# Altium PCB Radxa_E25_V1.4_20220119.PcbDoc (part 4 of 5)
Units mil, origin at the board's own origin, x right, y up, seen from the top; angles counter-clockwise.
Board outline 3106.31 x 2679.13 mil, 6 copper layers (Top, GND1, S1, Power, GND2, Bottom), stack 58.1 mil thick; 477 components, 352 nets, 1856 pads, 1064 vias.
Unrouted connection lines stored in the file: 297.
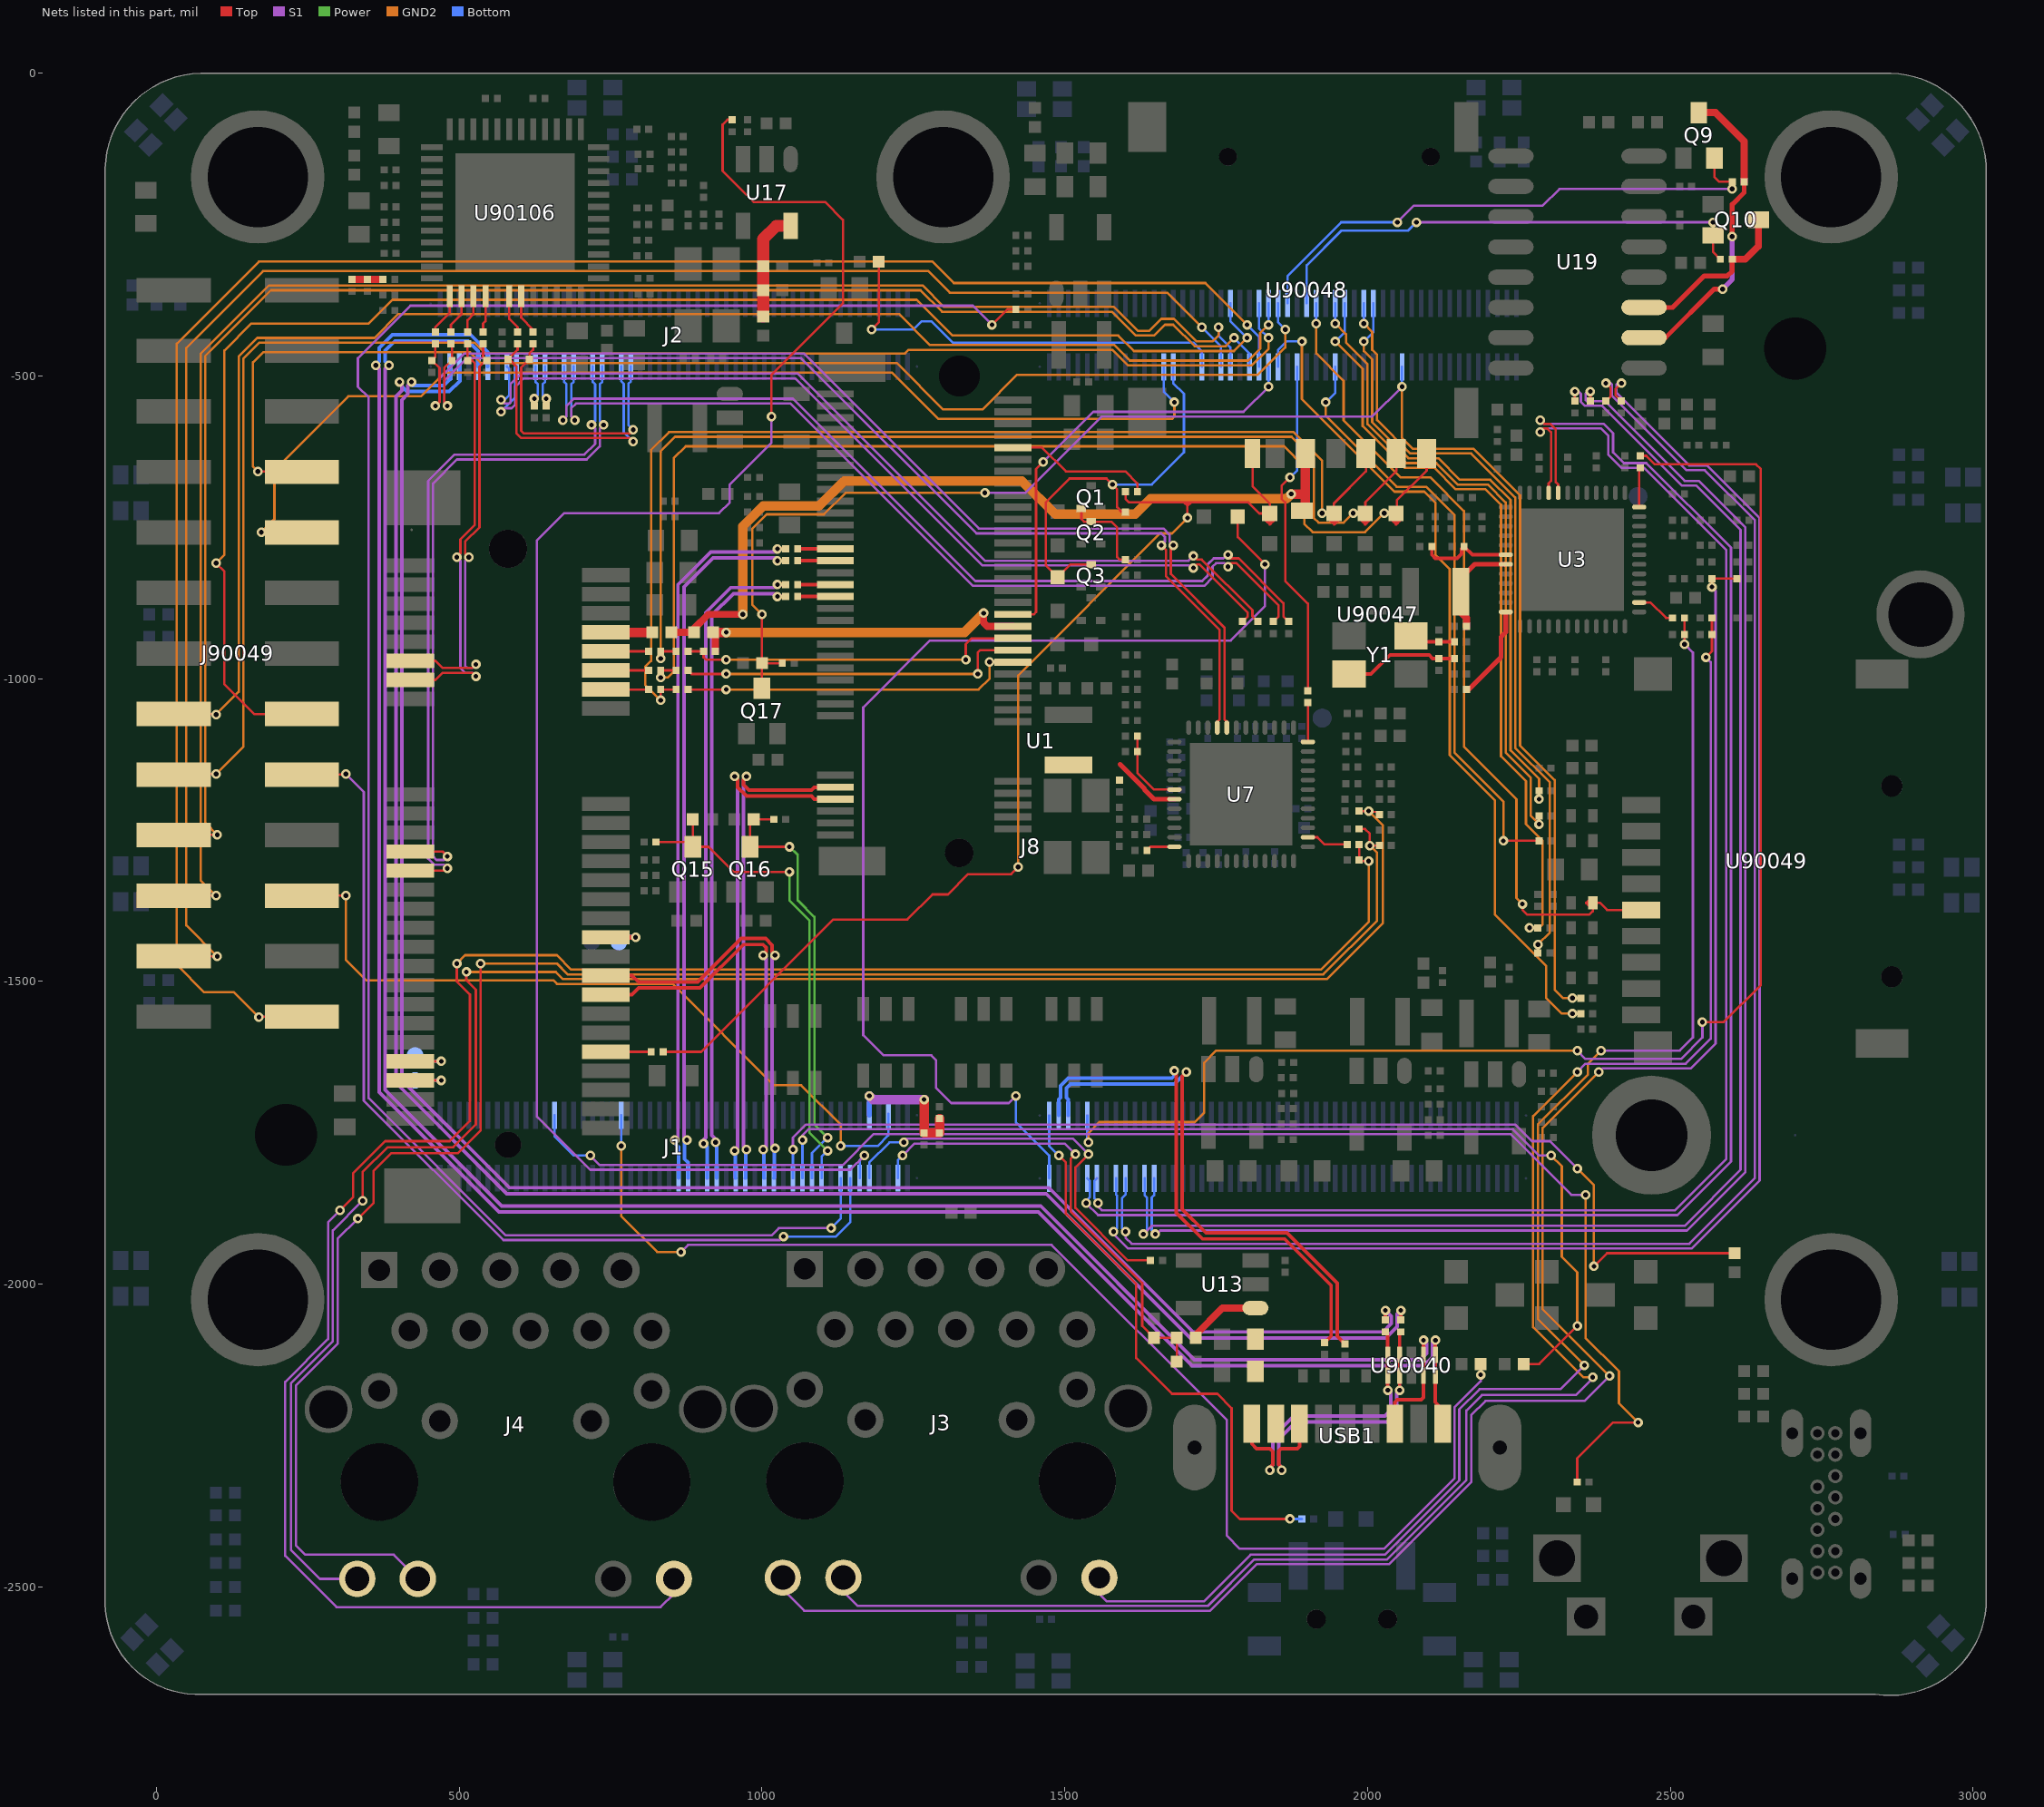
[diagram p8: the nets of this part, all layers, seen from the top]

## Via types
v1: diameter 15.75, hole 7.87, Top to Bottom, 825 vias
v2: diameter 19.68, hole 11.81, Top to Bottom, 239 vias

## Nets (pads, with @x,y where several pads share a name; then routed paths per layer and width w, separated by ;. In a path a pad name is that pad's centre, name@x,y a point inside that pad or via, vN(x,y) a via of type N, cw(c..) or ccw(c..) an arc to the next point about the centre after c; other vN are vias at no path point) (continued)
N17305881: J8.32 TP6.1 | length 80
  Top w7.87: J8.32@742.13,-1427.17 v1(791.34,-1427.17)
  Bottom w7.87: TP6.1@763.78,-1435.04 771.65,-1427.17 v1(791.34,-1427.17)
N17305883: J8.45 TP7.1 | length 98.6
  Top w3.94: J8.45@419.29,-1631.89 v1(470.47,-1631.89)
  Bottom w3.94: TP7.1@427.17,-1622.05 437.01,-1631.89 v1(470.47,-1631.89)
N17305885: J8.47 TP8.1 | length 94.5
  Top w3.94: J8.47@419.29,-1663.39 v1(470.47,-1663.39)
  Bottom w3.94: TP8.1@427.17,-1663.39 v1(470.47,-1663.39)
N25997268: C33.2 R38.1 Y1.1 | length 189.8
  Top w6: Y1.1@1969.44,-992.13 2005.9,-992.13 2037.39,-960.63 2101.81,-960.63 2107.71,-966.54 C33.2@2118.11,-966.54 R38.1@2143.7,-966.54
N25997270: C36.2 R40.1 Y1.3 | length 76
  Top w6: Y1.3@2071.8,-929.13 2080.71,-929.13 2090.55,-938.98 R40.1@2143.7,-938.98
N26000989: Q1.1 Q2.3 R45.2 | length 146.9
  Top w3.94: Q1.1@1527.56,-718.5 1527.56,-736.22 1531.89,-740.55 1576.77,-740.55 1586.61,-750.39 1586.61,-799.21 1590.55,-803.15 R45.2@1600.39,-803.15
P3V3: C119.1 FB1.1 FB2.2 U17.5 | length 182.2
  Top w19.68: FB1.1@1001.97,-401.57 C119.1@1001.97,-358.27 FB2.2@1001.97,-318.9 1001.97,-273.62 1023.66,-251.93 U17.5@1047.24,-251.93
PCIE20_CLKREQN_M2: D1.2 U1.102 | length 1929.8
  Top w3.94: D1.2@1785.83,-732.28 1785.83,-766.14 v1(1830.71,-811.02)
  S1 w3.94: v1(1419.29,-1688.98) 1407.48,-1700.79 1312.5,-1700.79 1287.4,-1675.68 1287.4,-1629.92 1279.53,-1622.05 1200.79,-1622.05 1167.32,-1588.58 1167.32,-1047.24 1277.56,-937.01 1774.27,-937.01 1774.27,-936.36 1830.71,-879.92 v1(1830.71,-811.02)
  Bottom w3.94: v1(1419.29,-1688.98) 1419.29,-1732.28 1474.41,-1787.4 U1.102@1474.41,-1825.2
PCIE20_REFCLKN: U1.112 U3.45 | length 2670.3
  Top w3.94: v1(2285.43,-592.52) 2291.34,-586.61 2297.24,-586.61 2303.15,-592.52 2303.15,-673.23 2299.21,-677.17 U3.45@2299.21,-692.91
  S1 w3.94: v1(1555.12,-1866.14) 1555.12,-1872.05 1561.02,-1877.95 2507.87,-1877.95 2592.52,-1793.31 2592.52,-787.4 2456.69,-651.57 2419.29,-651.57 2397.64,-629.92 2397.64,-598.43 2385.83,-586.61 2291.34,-586.61 v1(2285.43,-592.52)
  Bottom w3.94: U1.112@1553.15,-1825.2 1549.21,-1829.13 1549.21,-1858.27 1557.09,-1866.14 v1(1555.12,-1866.14)
PCIE20_REFCLKP: U1.110 U3.44 | length 2728.5
  Top w3.94: v1(2285.43,-572.83) 2291.34,-578.74 2301.18,-578.74 2311.02,-588.58 2311.02,-675.2 2314.96,-679.13 U3.44@2314.96,-692.91
  S1 w3.94: v1(1535.43,-1866.14) 1555.12,-1885.83 2511.81,-1885.83 2600.39,-1797.24 2600.39,-783.46 2460.63,-643.7 2423.23,-643.7 2405.51,-625.98 2405.51,-594.49 2389.76,-578.74 2291.34,-578.74 v1(2285.43,-572.83)
  Bottom w3.94: v1(1535.43,-1866.14) 1537.4,-1866.14 1537.4,-1860.24 1541.34,-1856.3 1541.34,-1829.13 U1.110@1537.4,-1825.2
PCIE20_RXN: C34.1 U1.118 | length 2664.5
  Top w3.94: C34.1@2393.7,-541.34 2401.57,-533.46 2401.57,-519.68 v1(2393.7,-511.81)
  S1 w3.94: v1(1600.39,-1913.39) 1600.39,-1923.23 1610.38,-1933.21 2531.36,-1933.21 2639.76,-1824.8 2639.76,-738.19 2557.09,-655.51 2527.08,-655.51 2403.54,-531.97 2403.54,-513.78 2401.57,-511.81 v1(2393.7,-511.81)
  Bottom w3.94: v1(1600.39,-1913.39) 1594.49,-1907.48 1594.49,-1857.87 1600.39,-1851.97 U1.118@1600.39,-1825.2
PCIE20_RXP: C35.1 U1.116 | length 2695.2
  Top w3.94: C35.1@2419.29,-541.34 2409.45,-531.5 2409.45,-521.65 v1(2419.29,-511.81)
  S1 w3.94: v1(1580.71,-1913.39) 1580.71,-1917.32 1604.47,-1941.08 2535.29,-1941.08 2647.64,-1828.74 2647.64,-734.25 2561.02,-647.64 2531.5,-647.64 2411.42,-527.56 2411.42,-513.78 2413.39,-511.81 v1(2419.29,-511.81)
  Bottom w3.94: v1(1580.71,-1913.39) 1586.61,-1907.48 1586.61,-1853.94 1584.65,-1851.97 U1.116@1584.65,-1825.2
PCIE20_TXN: C20.1 U1.124 | length 2565
  Top w3.94: C20.1@2368.11,-541.34 v1(2368.11,-525.59)
  S1 w3.94: v1(1649.61,-1917.32) 1650.66,-1918.38 1657.62,-1911.42 2527.56,-1911.42 2624.02,-1814.96 2624.02,-750 2547.24,-673.23 2523.62,-673.23 2391.73,-541.34 2362.2,-541.34 2360.24,-539.37 2360.24,-529.53 2364.17,-525.59 v1(2368.11,-525.59)
  Bottom w3.94: U1.124@1647.64,-1825.2 1647.64,-1852.95 1643.7,-1856.89 1643.7,-1911.42 v1(1649.61,-1917.32)
PCIE20_TXP: C21.1 U1.122 | length 2575.2
  Top w3.94: C21.1@2342.52,-541.34 v1(2342.52,-525.59)
  S1 w3.94: v1(1629.92,-1917.32) 1643.7,-1903.54 2523.62,-1903.54 2616.14,-1811.02 2616.14,-753.94 2543.31,-681.1 2519.69,-681.1 2387.8,-549.21 2358.94,-549.21 2352.36,-542.63 2352.36,-529.53 2348.43,-525.59 v1(2342.52,-525.59)
  Bottom w3.94: v1(1629.92,-1917.32) 1635.83,-1911.42 1635.83,-1856.89 1631.89,-1852.95 U1.122@1631.89,-1825.2
PCIE30_REFCLKN_IN: J2.41 R90569.1 R90602.1 | length 450.7
  Top w3.94: R90602.1@622.05,-446.85 622.05,-456.69 616.14,-462.6 R90569.1@616.14,-472.44 615.9,-472.2 602.36,-485.74 602.36,-590.55 606.3,-594.49 781.5,-594.49 v1(787.4,-588.58)
  Bottom w3.94: J2.41@783.46,-484.25 783.46,-508.66 779.53,-512.6 779.53,-580.71 v1(787.4,-588.58)
PCIE30_REFCLKP_IN: J2.39 R90579.1 R90603.1 | length 491.8
  Top w3.94: R90603.1@596.46,-446.85 596.46,-456.69 R90579.1@580.71,-472.44 582.68,-472.44 594.49,-484.25 594.49,-594.49 602.36,-602.36 781.5,-602.36 v1(787.4,-608.27)
  Bottom w3.94: J2.39@767.72,-484.25 767.72,-508.66 771.65,-512.6 771.65,-592.52 v1(787.4,-608.27)
PCIE30_RX0N: C71.1 J2.29 | length 1501.1
  Top w3.94: v1(1769.68,-814.96) 1775.59,-809.06 1783.46,-809.06 1853.35,-878.94 1853.35,-896.65 C71.1@1844.49,-905.51
  S1 w3.94: v1(690.94,-572.83) 685.04,-566.93 685.04,-553.15 692.91,-545.28 1047.24,-545.28 1348.43,-846.46 1730.31,-846.46 1744.09,-832.68 1744.09,-814.96 1750,-809.06 1763.78,-809.06 v1(1769.68,-814.96)
  Bottom w3.94: J2.29@688.98,-484.25 688.98,-509.84 685.04,-513.78 685.04,-566.93 v1(690.94,-572.83)
PCIE30_RX0P: C72.1 J2.27 | length 1530.3
  Top w3.94: v1(1769.68,-795.28) 1768.7,-796.26 1773.62,-801.18 1787.4,-801.18 1861.22,-875 1861.22,-896.65 C72.1@1870.08,-905.51
  S1 w3.94: v1(671.26,-572.83) 677.17,-566.93 677.17,-549.21 688.98,-537.4 1051.18,-537.4 1352.36,-838.58 1727.05,-838.58 1736.22,-829.42 1736.22,-811.02 1746.06,-801.18 1761.81,-801.18 1767.72,-795.28 v1(1769.68,-795.28)
  Bottom w3.94: v1(671.26,-572.83) 677.17,-566.93 677.17,-513.78 673.23,-509.84 J2.27@673.23,-484.25
PCIE30_RX1N: J2.35 J8.23 | length 1148.2
  Top w3.94: J8.23@419.29,-1285.43 472.44,-1285.43 v1(480.31,-1293.31)
  S1 w3.94: v1(480.31,-1293.31) 474.41,-1299.21 462.6,-1299.21 456.69,-1293.31 456.69,-677.17 496.06,-637.8 710.63,-637.8 732.28,-616.14 732.28,-586.61 v1(738.19,-580.71)
  Bottom w3.94: J2.35@736.22,-484.25 736.22,-509.84 732.28,-513.78 732.28,-574.8 v1(738.19,-580.71)
PCIE30_RX1P: J2.33 J8.25 | length 1160
  Top w3.94: J8.25@419.29,-1316.93 476.38,-1316.93 v1(480.31,-1312.99)
  S1 w3.94: v1(480.31,-1312.99) 474.41,-1307.09 458.66,-1307.09 448.82,-1297.24 448.82,-673.23 492.13,-629.92 706.69,-629.92 724.41,-612.2 724.41,-586.61 v1(718.5,-580.71)
  Bottom w3.94: v1(718.5,-580.71) 724.41,-574.8 724.41,-513.78 720.47,-509.84 J2.33@720.47,-484.25
PCIE30_TX0N: C58.1 J2.17 | length 1544.7
  Top w3.94: v1(1712.6,-816.93) 1718.5,-811.02 1722.44,-811.02 1802.17,-890.75 1802.17,-896.65 C58.1@1793.31,-905.51
  S1 w3.94: v1(568.9,-559.06) 574.8,-553.15 586.61,-553.15 592.52,-547.24 592.52,-517.72 606.3,-503.94 1055.12,-503.94 1364.17,-812.99 1712.6,-812.99 v1(1712.6,-816.93)
  Bottom w3.94: v1(568.9,-559.06) 592.52,-535.43 592.52,-486.22 J2.17@594.49,-484.25
PCIE30_TX0P: C57.1 J2.15 | length 1537.9
  Top w3.94: v1(1712.6,-797.24) 1718.5,-803.15 1726.38,-803.15 1810.04,-886.81 1810.04,-896.65 C57.1@1818.9,-905.51
  S1 w3.94: v1(568.9,-539.37) 574.8,-545.28 582.68,-545.28 584.65,-543.31 584.65,-513.78 602.36,-496.06 1059.06,-496.06 1368.11,-805.12 1704.72,-805.12 v1(1712.6,-797.24)
  Bottom w3.94: v1(568.9,-539.37) 574.8,-539.37 582.68,-531.5 582.68,-488.19 J2.15@578.74,-484.25
PCIE30_TX1N: C96.1 J2.23 | length 69.8
  Top w3.94: C96.1@643.7,-549.21 v1(643.7,-537.4)
  Bottom w3.94: J2.23@641.73,-484.25 641.73,-509.84 637.8,-513.78 637.8,-533.46 v1(643.7,-537.4)
PCIE30_TX1P: C97.1 J2.21 | length 69
  Top w3.94: C97.1@624.02,-549.21 v1(624.02,-537.4)
  Bottom w3.94: v1(624.02,-537.4) 629.92,-531.5 629.92,-513.29 625.98,-509.35 J2.21@625.98,-484.25
PCIE30X1_REFCLKN_CON: J8.11 R90568.1 R90600.1 | length 692.1
  Top w3.94: J8.11@419.29,-970.47 460.63,-970.47 472.44,-982.28 521.65,-982.28 v1(527.56,-976.38) ; v1(515.75,-799.21) 509.84,-793.31 509.84,-773.62 533.46,-750 533.46,-484.25 543.31,-474.41 R90568.1@545.28,-474.41 539.37,-468.5 R90600.1@539.37,-446.85
  S1 w3.94: v1(515.75,-799.21) 509.84,-805.12 509.84,-978.35 513.78,-982.28 521.65,-982.28 v1(527.56,-976.38)
PCIE30X1_REFCLKP_CON: J8.13 R90580.1 R90601.1 | length 706.5
  Top w3.94: J8.13@419.29,-1001.97 460.63,-1001.97 472.44,-990.16 521.65,-990.16 v1(527.56,-996.06) ; v1(496.06,-799.21) 501.97,-793.31 501.97,-769.68 525.59,-746.06 525.59,-478.35 521.65,-474.41 R90580.1@513.78,-474.41 R90601.1@513.78,-446.85
  S1 w3.94: v1(496.06,-799.21) 501.97,-805.12 501.97,-982.28 509.84,-990.16 521.65,-990.16 v1(527.56,-996.06)
PCIE30X2_REFCLKN_CON: R90573.1 R90596.1 U7.45 | length 1841.1
  Top w3.94: v1(480.31,-549.21) 475.39,-544.29 475.39,-486.73 487.95,-474.17 R90573.1@488.19,-474.41 488.19,-448.82 R90596.1@486.22,-446.85 ; v1(1659.45,-779.53) 1667.32,-787.4 1667.32,-830.71 1755.91,-919.29 1755.91,-1066.93 1751.97,-1070.87 U7.45@1751.97,-1080.71
  S1 w3.94: v1(480.31,-549.21) 475.39,-544.29 475.39,-507.87 512.8,-470.47 1064.96,-470.47 1354.33,-759.84 1659.45,-759.84 1665.35,-765.75 1665.35,-773.62 v1(1659.45,-779.53)
PCIE30X2_REFCLKP_CON: R90577.1 R90598.1 U7.44 | length 1872.2
  Top w3.94: R90577.1@454.72,-474.41 R90577.1@454.96,-474.17 ; v1(460.63,-549.21) 460.63,-545.28 465.55,-545.28 467.52,-543.31 467.52,-486.73 R90577.1@454.96,-474.17 ; R90598.1@460.63,-446.85 460.63,-468.5 R90577.1@454.96,-474.17 ; v1(1679.13,-779.53) 1675.2,-783.46 1675.2,-826.77 1763.78,-915.35 1763.78,-1066.93 1767.72,-1070.87 U7.44@1767.72,-1080.71
  S1 w3.94: v1(460.63,-549.21) 467.52,-542.32 467.52,-503.94 508.86,-462.6 1068.9,-462.6 1358.27,-751.97 1663.39,-751.97 1673.23,-761.81 1673.23,-773.62 v1(1679.13,-779.53)
PCIE_NRST: R43.1 U1.109 | length 2407.4
  Top w3.94: R43.1@2450.79,-631.89 2460.63,-631.89 2474.41,-645.67 2641.73,-645.67 2649.61,-653.54 2649.61,-1505.91 2588.58,-1566.93 v1(2553.15,-1566.93)
  S1 w3.94: v1(2346.46,-1614.17) 2360.24,-1627.95 2517.72,-1627.95 2553.15,-1592.52 v1(2553.15,-1566.93)
  GND2 w3.94: v1(1539.37,-1765.75) 1539.37,-1750 1557.09,-1732.28 1714.57,-1732.28 1730.31,-1716.54 1730.31,-1633.86 1750,-1614.17 v1(2346.46,-1614.17)
  Bottom w3.94: U1.109@1537.4,-1721.26 1537.4,-1763.78 v1(1539.37,-1765.75)
PERSTB: R88.2 U7.36 | length 65
  Top w3.94: U7.36@1901.57,-1104.33 R88.2@1901.57,-1039.37
PERSTB_16743298: R43.2 U3.36 | length 65.8
  Top w3.94: U3.36@2448.82,-716.54 2448.82,-653.54 R43.2@2450.79,-651.57
POW_EXT_SWR/ENSWREG: R62.1 R63.1 U7.6 | length 133.5
  Top w3.94: R62.1@1620.08,-1094.49 R63.1@1620.08,-1120.08 1620.08,-1155.51 1647.64,-1183.07 U7.6@1681.1,-1183.07
POW_EXT_SWR/ENSWREG_16742622: R18.1 R19.1 U3.6 | length 156.7
  Top w5.91: R18.1@2106.3,-781.5 2106.3,-795.28 2112.2,-801.18 2147.64,-801.18 2155.51,-793.31 2155.51,-785.43 R19.1@2159.45,-781.5
  Top w6: R19.1@2159.45,-781.5 2173.23,-795.28 U3.6@2228.35,-795.28
PWM0_M1: J1.89 R136.1 | length 2796.3
  Top w3.94: R136.1@950.79,-76.77 942.91,-76.77 935.04,-84.65 935.04,-161.42 986.22,-212.6 1104.33,-212.6 1133.86,-242.13 1133.86,-379.92 1015.75,-498.03 v1(1015.75,-566.93)
  S1 w3.94: v1(1015.75,-566.93) 1015.75,-610.24 946.85,-679.13 946.85,-708.66 929.13,-726.38 673.23,-726.38 627.95,-771.65 627.95,-1722.44 716.54,-1811.02 1145.67,-1811.02 v1(1169.29,-1787.4)
  Bottom w3.94: J1.89@1161.42,-1824.8 1161.42,-1795.28 v1(1169.29,-1787.4)
PWM0_MO: J1.91 R229.2 | length 675.6
  Top w3.94: v1(1539.37,-1785.43) 1517.72,-1807.09 1517.72,-1874.02 1604.33,-1960.63 R229.2@1641.73,-1960.63
  S1 w3.94: v1(1234.25,-1765.75) 1234.25,-1759.84 1513.78,-1759.84 v1(1539.37,-1785.43)
  Bottom w3.94: J1.91@1177.17,-1824.8 1177.17,-1799.21 1210.63,-1765.75 v1(1234.25,-1765.75)
PWM1_MO: J1.75 R155.2 | length 1815.3
  Top w3.94: v1(2374.02,-1970.47) 2395.67,-1948.82 R155.2@2606.3,-1948.82
  S1 w3.94: v1(1051.18,-1777.56) 1051.18,-1758.07 1073.03,-1736.22 2244.09,-1736.22 2271.65,-1763.78 2301.18,-1763.78 v1(2346.46,-1809.06)
  GND2 w3.94: v1(2346.46,-1809.06) 2374.02,-1836.61 v1(2374.02,-1970.47)
  Bottom w3.94: J1.75@1051.18,-1824.8 v1(1051.18,-1777.56)
PWM2_MO: J1.77 R168.2 | length 1743.2
  Top w3.94: R168.2@2257.87,-2131.89 2283.46,-2131.89 v1(2346.46,-2068.9)
  S1 w3.94: v1(1066.93,-1761.81) 1066.93,-1753.94 1076.77,-1744.09 2240.16,-1744.09 2283.46,-1787.4 v1(2303.15,-1787.4)
  GND2 w3.94: v1(2303.15,-1787.4) 2320.87,-1805.12 2320.87,-1954.72 2346.46,-1980.31 v1(2346.46,-2068.9)
  Bottom w3.94: J1.77@1066.93,-1824.8 v1(1066.93,-1761.81)
PWM3_IR: J1.79 Q16.3 R106.1 R90644.2 | length 734.4
  Top w3.94: R106.1@1019.68,-1232.28 R90644.2@986.22,-1232.28 ; v1(1045.28,-1277.56) 1027.56,-1277.56 Q16.3@980.31,-1277.56 980.31,-1234.25 982.28,-1232.28 R90644.2@984.25,-1232.28 ; R90644.2@984.25,-1232.28 R90644.2@986.22,-1232.28 ; R90644.2@984.25,-1232.28 R90644.2@986.22,-1232.28
  Power w3.94: v1(1045.28,-1277.56) 1059.06,-1291.34 1059.06,-1366.14 1086.61,-1393.7 1086.61,-1736.22 v1(1108.27,-1757.87)
  Bottom w3.94: J1.79@1082.68,-1824.8 1082.68,-1783.46 v1(1108.27,-1757.87)
PWM4: J1.81 Q15.3 R107.1 R90642.2 | length 822.2
  Top w3.94: R107.1@824.8,-1269.68 877.95,-1269.68 Q15.3@885.83,-1277.56 ; R90642.2@885.83,-1232.28 Q15.3@885.83,-1277.56 ; v1(1045.28,-1318.9) 952.75,-1318.9 911.42,-1277.56 Q15.3@885.83,-1277.56
  Power w3.94: v1(1045.28,-1318.9) 1045.28,-1366.14 1078.74,-1399.61 1078.74,-1750 v1(1108.27,-1779.53)
  Bottom w3.94: J1.81@1098.43,-1824.8 1098.43,-1789.37 v1(1108.27,-1779.53)
PWM6: J1.85 R90653.1 | length 3327.6
  Top w3.94: v1(1379.92,-415.35) 1405.51,-389.76 R90653.1@1419.29,-389.76
  S1 w3.94: v1(1114.17,-1907.48) 1027.56,-1907.48 1015.75,-1919.29 576.77,-1919.29 350.39,-1692.91 350.39,-535.43 332.68,-517.72 332.68,-470.47 419.29,-383.86 1348.43,-383.86 v1(1379.92,-415.35)
  Bottom w3.94: v1(1114.17,-1907.48) 1129.92,-1891.73 J1.85@1129.92,-1824.8
PWM7_IR: J1.87 J90049.18 | length 1608.4
  Top w3.94: J90049.18@240.16,-1158.27 312.2,-1158.27 v1(312.99,-1157.48)
  S1 w3.94: v1(312.99,-1157.48) 342.52,-1187.01 342.52,-1696.85 572.83,-1927.17 1029.53,-1927.17 v1(1035.43,-1921.26)
  Bottom w3.94: v1(1035.43,-1921.26) 1122.05,-1921.26 1145.67,-1897.64 J1.87@1145.67,-1824.8
PWM8_M0: U1.48 U90047.38 | length 749.2
  Top w3.94: U90047.38@1414.57,-893.7 1448.82,-893.7 1452.76,-889.76 1452.76,-653.54 v1(1464.57,-641.73)
  S1 w3.94: v1(1464.57,-641.73) 1547.24,-559.06 1795.28,-559.06 v1(1836.61,-517.72)
  Bottom w3.94: v1(1836.61,-517.72) U1.48@1836.61,-484.65
PWM9_M0: R4205.1 U1.50 | length 1421.3
  Top w3.94: v1(2338.58,-1553.15) R4205.1@2352.36,-1553.15
  GND2 w3.94: v1(1891.73,-442.91) 1891.73,-537.9 2044.77,-690.94 2093.99,-690.94 2112.2,-709.16 2112.2,-795.28 2135.83,-818.9 2135.83,-1125.98 2210.63,-1200.79 2210.63,-1389.76 2295.28,-1474.41 2295.28,-1527.56 2320.87,-1553.15 v1(2338.58,-1553.15)
  Bottom w3.94: U1.50@1852.36,-484.65 1852.36,-456.69 1866.14,-442.91 v1(1891.73,-442.91)
PWM12_M1: J1.40 R181.2 | length 2150.2
  Top w3.94: v1(2187.01,-2149.61) R181.2@2187.01,-2131.89
  S1 w3.94: v1(866.14,-1946.85) 877.95,-1935.04 1478.35,-1935.04 1767.72,-2224.41 1767.72,-2415.35 1789.37,-2437.01 2027.62,-2437.01 2143.7,-2320.92 2143.7,-2203.43 2187.01,-2160.12 v1(2187.01,-2149.61)
  GND2 w3.94: v1(767.72,-1771.65) 767.72,-1887.8 826.77,-1946.85 v1(866.14,-1946.85)
  Bottom w3.94: v1(767.72,-1771.65) 769.88,-1771.65 768.8,-1770.57 767.72,-1769.49 J1.40@767.72,-1720.87
PWM13_M0: J90049.26 U1.46 | length 3213.1
  Top w3.94: v1(169.29,-1559.06) 170.08,-1558.27 J90049.26@240.16,-1558.27
  GND2 w3.94: v1(169.29,-1559.06) 127.95,-1517.72 78.74,-1517.72 33.46,-1472.44 33.46,-446.85 169.29,-311.02 1281.5,-311.02 1316.93,-346.46 1732.28,-346.46 v1(1801.18,-415.35)
  Bottom w3.94: v1(1801.18,-415.35) 1820.87,-435.04 U1.46@1820.87,-484.65
R3V3: J4.15 R78.2 R80.2 | length 3069.6
  Top w3.94: v1(340.55,-1862.2) 340.55,-1814.96 381.89,-1773.62 490.16,-1773.62 527.56,-1736.22 527.56,-1513.78 511.81,-1498.03 v1(511.81,-1484.25) ; R80.2@1986.22,-1218.5 v1(2001.97,-1218.5) 2015.75,-1220.47 2019.68,-1220.47 R78.2@2019.68,-1224.41
  S1 w3.94: J4.15@331.69,-2486.61 269.68,-2486.61 222.44,-2439.37 222.44,-2163.39 291.34,-2094.49 291.34,-1911.42 v1(340.55,-1862.2)
  GND2 w3.94: v1(511.81,-1484.25) 659.45,-1484.25 671.26,-1496.06 1933.07,-1496.06 2025.59,-1403.54 2025.59,-1242.13 v1(2001.97,-1218.5)
R3V3_16741234: J3.15 R35.2 R36.2 | length 3234.3
  Top w3.94: v1(2568.9,-848.43) R36.2@2568.9,-834.65 R35.2@2610.24,-834.65
  S1 w3.94: J3.15@1034.45,-2484.65 1034.45,-2503.94 1069.88,-2539.37 1740.16,-2539.37 1816.93,-2462.6 2035.43,-2462.6 2171.26,-2326.77 2171.26,-2216.54 2194.88,-2192.91 2358.27,-2192.91 v1(2399.61,-2151.57) ; v1(2381.89,-1649.61) 2387.8,-1643.7 2533.46,-1643.7 2574.8,-1602.36 2574.8,-854.33 v1(2568.9,-848.43)
  GND2 w3.94: v1(2381.89,-1649.61) 2289.37,-1742.13 2289.37,-2041.34 v1(2399.61,-2151.57)
R_FT_PEU0_X1_X16_CLKN: R90596.2 U90106.2 | length 66.4
  Top w3.94: R90596.2@486.22,-427.17 486.22,-415.35 503.94,-397.64 U90106.2@503.94,-368.11
R_FT_PEU0_X1_X16_CLKP: R90598.2 U90106.1 | length 68.8
  Top w3.94: R90598.2@460.63,-427.17 460.63,-419.29 484.25,-395.67 U90106.1@484.25,-368.11
R_FT_PEU1_X1_CLKN: R90602.2 U90106.7 | length 67.2
  Top w3.94: U90106.7@602.36,-368.11 602.36,-403.54 622.05,-423.23 R90602.2@622.05,-427.17
R_FT_PEU1_X1_CLKP: R90603.2 U90106.6 | length 64.8
  Top w3.94: U90106.6@582.68,-368.11 582.68,-405.51 596.46,-419.29 R90603.2@596.46,-427.17